# KiCad board 2000ATX.kicad_pcb (continued)
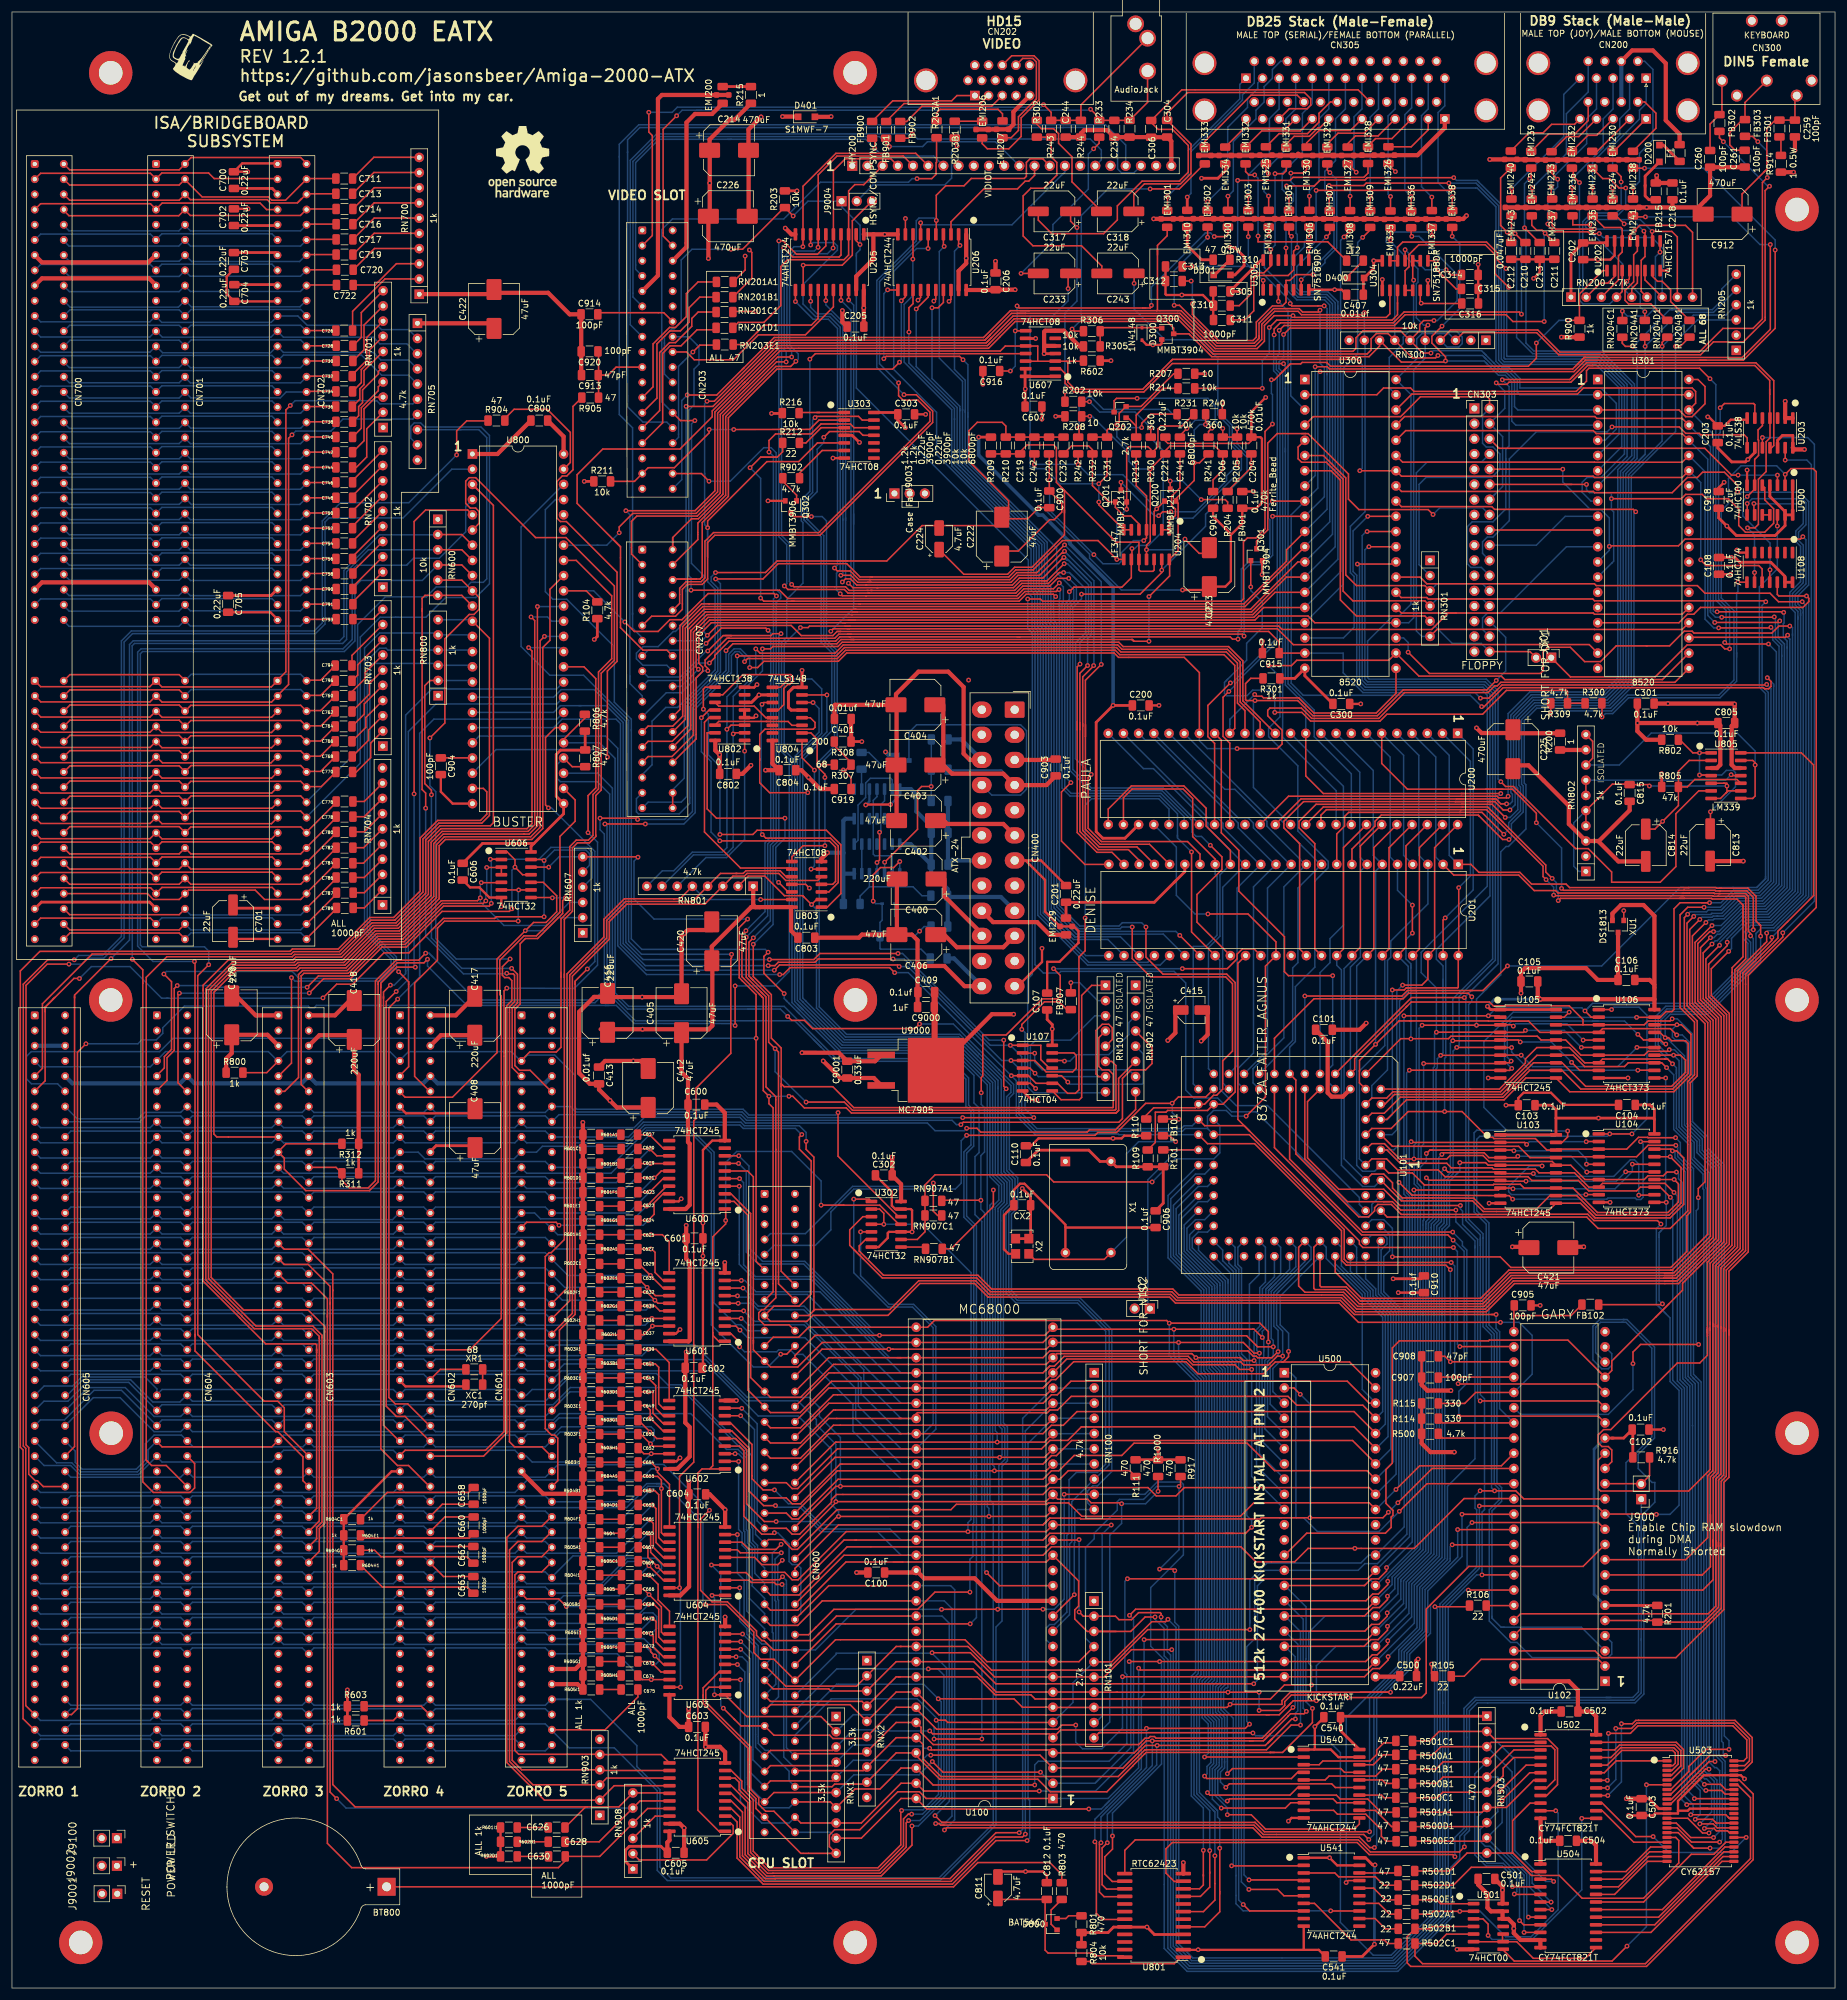
[diagram p0: board, top side]
## Routing (per net, layer and track width the routed paths; a pad name or vN(x,y) marks a point on that pad's centre or on a via; arc(x,y) is an arc through that point) (continued)
A13: length 239.5
  Top w0.25: v1(121.92,111.89) U601.4 ; CN600.39 129.46,84.44 130.44,83.46 131.36,83.46 138,90.09 172.14,90.09 173.55,91.51 176.54,91.51 178.81,93.78 ; 228.04,90.12 224.38,93.78 178.81,93.78 ; 178.81,93.78 183.56,93.78 ; U302.5 v1(141.88,126.35)
  Bottom w0.25: 228.04,90.12 230.07,92.14 230.07,112.45 227.11,115.42 227.11,116.43 223.77,119.77 U101.72 ; v1(141.88,126.35) 141.88,119.02 146.66,114.24 150.75,114.24 154.46,110.53 154.46,93.37 U100.41 148.64,90.09 141.51,97.23 141.51,101.77 132.46,110.82 123.08,110.82 122.01,111.89 v1(121.92,111.89)
A14: length 194.5
  Top w0.25: v1(121.72,109.93) 121.03,110.62 U601.3 ; CN600.41 129.46,81.9 130.44,80.92 131.84,80.92 138.47,87.55 172.38,87.55 173.79,88.97 174.63,88.97 177.15,91.49 224.13,91.49 228.04,87.58
  Bottom w0.25: v1(121.72,109.93) 122.97,108.68 132.59,108.68 141.06,100.21 141.06,95.14 148.64,87.55 U100.42 ; 224.81,122.04 224.81,123.78 U101.73 ; 224.81,122.04 224.81,121.78 ; 224.81,122.04 224.81,119.37 227.56,116.62 227.56,115.6 230.52,112.64 230.52,90.05 228.04,87.58
A15: length 196.1
  Top w0.25: U500.35 226.56,86.45 211.09,86.45 206.5,91.04 187.6,91.04 185.55,88.99 177.59,88.99 175.02,86.43 173.79,86.43 172.38,85.01 138.12,85.01 131.49,78.38 130.44,78.38 129.46,79.36 CN600.43 ; U601.2 120.2,109.35 121.67,107.88 v1(121.67,107.14)
  Bottom w0.25: U100.43 148.64,85.01 140.61,93.05 140.61,97.51 132.24,105.88 130.88,105.88 130.12,106.64 128.18,106.64 127.86,106.32 122.48,106.32 v1(121.67,107.14) ; 228.04,85.04 230.97,87.96 230.97,112.83 228.01,115.79 228.01,116.83 226.31,118.52 U101.74
A16: length 177.3
  Top w0.25: U602.9 121.99,96.9 v1(122.01,96.87) ; 228.04,82.5 226.92,83.62 196,83.62 194.62,82.24 191.31,82.24 189.93,83.62 173.53,83.62 172.38,82.47 137.86,82.47 137.02,81.63 137.02,81.17 131.69,75.84 130.44,75.84 129.46,76.82 CN600.45
  Bottom w0.25: 122,96.89 v1(122.01,96.87) 124.59,94.3 124.59,78.06 CN600.45 ; 228.04,82.5 231.42,85.87 231.42,113.02 228.46,115.98 228.46,124.42 U101.75
A17: length 209.4
  Top w0.25: U102.33 249.01,87.27 235.35,87.27 v1(231.39,83.31) ; CN600.47 126.49,74.93 128.88,74.93 129.32,74.5 129.32,74.43 130.44,73.3 131.32,73.3 137.95,79.93 U100.45 156.99,79.93 157.88,80.83 173.03,80.83 173.26,81.06 176.65,81.06 178.87,78.83 205.38,78.83 207.63,81.08 226.92,81.08 228.04,79.96 ; U602.8 v1(121.83,95.63)
  Bottom w0.25: U101.76 227.35,125.85 229.35,125.85 229.89,125.31 229.89,124.32 228.91,123.33 228.91,116.16 231.87,113.2 231.87,83.78 v1(231.39,83.31) 228.04,79.96 ; v1(121.83,95.63) 124.14,93.32 124.14,77.16 124.32,76.98 124.32,75.79 CN600.47
A18: length 245.8
  Top w0.25: 123.72,85.63 123.72,85.1 125.59,83.24 v1(127.48,83.24) ; 123.72,85.63 123.72,85.52 ; 123.72,85.63 123.72,90.84 120.2,94.36 119.18,94.36 ; 173.5,78.52 178.55,78.52 178.69,78.38 208.69,78.38 208.89,78.59 v1(217.02,78.59) 229.21,78.59 v1(230.12,79.5) ; 173.5,78.52 172.38,77.39 ; 173.5,78.52 173.22,78.24 ; v1(231.71,81.09) 237.44,86.82 U102.34 ; 172.38,77.39 173.22,78.24 ; 172.38,77.39 138.18,77.39 130.91,70.12 CN600.52 ; 173.22,78.24 173.52,78.54 ; v1(215.39,99.21) 214.33,100.28 212.8,100.28
  Bottom w0.25: v1(230.12,79.5) v1(231.71,81.09) 232.32,81.69 232.32,113.39 229.36,116.35 229.36,122.22 230.34,123.2 230.34,125.87 U101.77 ; U100.46 135.36,77.39 131.84,80.92 129.8,80.92 v1(127.48,83.24) ; v1(215.39,99.21) 217.02,97.59 v1(217.02,78.59)
A19: length 249.9
  Top w0.25: 141.19,74.86 139.11,74.86 CN600.54 ; 141.19,74.86 172.38,74.85 173.5,75.98 202.97,75.98 ; 141.19,74.86 140.94,74.86 ; 202.97,75.98 204.28,75.98 ; 202.97,75.98 206.25,75.98 v1(207.26,76.99) ; v1(231.95,79.65) 236.58,84.28 U102.35 ; v1(127.66,80.61) 125.67,80.61 123.27,83.01 123.27,90.17 120.35,93.09 U602.6
  Bottom w0.25: 214.76,78.54 215.99,78.54 218.24,76.29 228.59,76.29 v1(231.95,79.65) ; 214.76,78.54 214.67,78.64 214.67,101.93 213.78,102.82 U500.1 ; 214.76,78.54 212.2,78.54 ; 212.2,78.54 208.82,78.54 v1(207.26,76.99) 207.26,78.14 206.44,78.95 206.44,105.09 205.57,105.97 205.57,120.29 204.96,120.9 204.96,123.78 U101.59 ; 212.2,78.54 211.89,78.54 ; U100.47 148.64,74.85 146.78,76.71 135.41,76.71 131.78,80.34 127.92,80.34 v1(127.66,80.61)
A20: length 205.8
  Top w0.25: CN600.56 139.11,72.31 172.38,72.31 173.79,73.73 205.46,73.73 207.98,71.21 210.56,71.21 214.45,71.21 216.7,73.46 234.45,73.46 242.77,81.79 251.05,81.79 U102.36 ; v1(127.76,77.95) 125.79,77.95 122.82,80.92 122.82,89.98 120.98,91.82 U602.5
  In1.Cu w0.25: v1(224.53,73.46) 224.53,99.37 U500.42
  Bottom w0.25: v1(127.76,77.95) 133.53,77.95 135.22,76.26 144.69,76.26 148.64,72.31 U100.48
A21: length 253.5
  Top w0.25: U602.4 121.62,90.55 122.37,89.79 122.37,80.54 ; U100.50 136.57,67.23 CN600.58 ; v1(227.79,23.47) 227.03,23.47 225.28,25.21 210.17,25.21 209.02,25.21 207.46,26.77 156.26,26.77 v1(155.91,26.42) ; v1(242.43,79.16) 251.07,79.16 U102.37 ; 122.37,80.54 122.37,78.83 125.36,75.84 127.23,75.84 v1(127.47,76.08) 127.29,76.26 ; 122.37,80.54 122.37,79.83
  Bottom w0.25: v1(155.91,26.42) 157.61,28.12 157.61,66.56 156.93,67.23 U100.50 ; v1(227.79,23.47) 228.16,23.84 228.16,48.35 233.21,53.4 233.21,55.97 236.71,59.46 236.71,66.38 242.43,72.1 v1(242.43,79.16) ; CN600.58 131.89,62.56 131.89,70.17 131.3,70.76 130.44,70.76 129.93,71.27 129.93,74.18 128.04,76.08 v1(127.47,76.08)
A22: length 244.9
  Top w0.25: 226.87,24.79 v1(226.85,24.82) 226,25.66 211.44,25.66 209.21,25.66 207.65,27.22 155.81,27.22 ; v1(120.9,89.28) U602.3 ; 155.81,27.22 155.55,27.22 ; 155.81,27.22 155.28,27.22 155.01,27.48 v1(154.43,27.48) ; U102.38 251.05,76.61 v1(241.71,76.61) ; CN600.57 126.81,60.6 131.38,60.6 135.47,64.69 U100.51
  Bottom w0.25: CN600.57 125.83,62.58 123.3,65.11 123.3,73.4 122.52,74.19 122.52,76.23 122.34,76.41 122.34,88.41 121.47,89.28 v1(120.9,89.28) ; v1(241.71,76.61) 241.71,72.01 236.26,66.57 236.26,59.65 232.76,56.15 232.76,53.59 227.7,48.52 227.7,25.67 v1(226.85,24.82) ; v1(154.43,27.48) 155.91,27.48 157.16,28.73 157.16,63.41 155.88,64.69 U100.51
A23: length 238.5
  Top w0.25: v1(121.49,88) 121.48,88.01 U602.2 ; v1(154.33,28.8) 155.46,27.67 156.25,27.67 ; v1(226.97,26.11) 209.4,26.11 207.82,27.69 207.81,27.67 156.25,27.67 ; CN600.59 126.81,58.06 133.75,58.06 134.94,59.25 ; 156.25,27.67 155.51,27.67 ; 134.94,59.25 137.85,62.15 U100.52 ; 134.94,59.25 134.75,59.06 ; U102.39 251.05,74.07 v1(240.79,74.07)
  Bottom w0.25: v1(240.79,74.07) 240.44,73.72 240.44,71.76 240.44,71.39 235.81,66.75 235.81,59.83 232.31,56.34 232.31,53.78 226.97,48.44 v1(226.97,26.11) ; U100.52 155.5,62.15 156.71,60.95 156.71,31.18 v1(154.33,28.8) ; v1(121.49,88) 121.49,76.63 122.07,76.05 122.07,74 122.85,73.22 122.85,63.02 125.83,60.04 CN600.59
AUDIN: length 33.1
  Top w0.25: v1(178.05,294.18) 176.99,295.24 C317.1 ; R202.1 v1(176.04,266.73)
  Bottom w0.25: v1(178.05,294.18) 178.05,281.89 176.04,279.88 v1(176.04,266.73)
AUDIO: length 419.1
  Top w0.25: C204.2 207.21,258.56 206.76,258.11 193.26,258.11 192.84,258.53 C221.1 ; 110.46,197.69 110.46,200.23 ; C900.2 173.4,247.4 v1(171.7,247.4) 169.83,245.52 166.62,245.52 ; 154.96,244.37 164.89,244.37 165.8,245.27 ; 154.96,244.37 155.02,244.32 C224.2 ; 154.96,244.37 152.17,244.37 146.26,238.46 137.97,238.46 ; 137.97,238.46 127.92,238.46 125.99,236.53 v1(117.63,236.52) ; 137.97,238.46 139.76,238.46 ; 166.62,245.52 166.62,248.51 159.98,255.16 159.98,260.22 161.39,261.63 165.54,261.63 166.17,261.01 R210.2 C232.2 ; 166.62,245.52 165.47,244.37
  Top w0.381: C901.1 200.81,245.94 203.79,242.96 203.79,242.82 ; v1(195.71,233.61) 199.62,233.61 C223.1 202.87,234.18 203.79,235.1 203.79,242.82 ; 203.79,242.82 205.69,244.72 FB401.2 208.07,247.27 208.98,248.18 208.98,258.89 208.72,259.16 C204.2 207.21,263.39 v1(209.61,265.79) ; C212.2 C211.2 ; C213.2 255.42,286.69 v1(254.41,285.68)
  In1.Cu w0.381: 224.24,277.99 233.23,277.99 235.56,280.32 240.51,280.32 245.87,285.68 v1(254.41,285.68) ; 224.24,277.99 221.81,277.99 v1(209.61,265.79) ; 224.24,277.99 224.24,282.91 217.41,289.73 205.97,289.73 200.96,294.75 200.96,305.99 187.86,319.09 CN205.S ; v1(195.71,233.61) 199.72,229.6 199.72,200.84 U200.34
  Bottom w0.25: 110.46,200.23 112.4,202.16 112.4,214.46 117.5,219.56 ; v1(117.63,236.52) 116.9,235.79 116.9,235.04 118,233.94 118,220.06 117.5,219.56 ; v1(195.71,233.61) 185.49,233.61 180.17,238.93 180.17,239.6 172.37,247.4 v1(171.7,247.4) ; 117.87,219.93 117.5,219.56
AUDOUT: length 39.4
  Top w0.25: C243.2 182.21,287.74 178.82,291.13 170.69,291.13 169.06,292.76 169.06,299.47 170.33,300.74 172.5,300.74 174.68,302.93 174.68,305.06 173.74,306 R243.2 R302.1
B0: length 97.1
  Top w0.25: 149.38,295.68 v1(149.38,295.68) U206.9 ; RN201A1.1 122.58,287.09 v1(122.58,289.41)
  In1.Cu w0.25: HY200.16 177.41,303.32 170.41,303.32 169.79,303.93 169.79,306.03 167.19,308.64 149.37,308.64 ; 124.68,304.14 124.68,304.41 ; 124.68,304.14 124.68,304.72 128.6,308.64 149.37,308.64 ; 124.68,304.14 124.68,290.74 123.35,289.41 v1(122.58,289.41) ; 149.37,308.64 149.38,308.63 v1(149.38,295.68)
B1: length 133
  Top w0.25: v1(148.23,268.22) 148.23,266.08 148.98,265.33 151.47,265.33 153.48,263.31 153.48,261.79 134.89,243.21 117.3,243.21 115.86,241.76 115.86,235.63 115.22,234.99 112.72,234.99 111.63,233.91 111.63,231.37 CN207.10 ; U206.7 v1(151.92,294.97)
  Bottom w0.25: HY200.15 176.05,303.5 167.19,294.63 152.25,294.63 v1(151.92,294.97) 151.92,292.02 145.05,285.15 145.05,271.41 v1(148.23,268.22)
B2: length 143.3
  Top w0.25: v1(149.14,266.24) 151.19,266.24 153.93,263.5 153.93,261.6 135.08,242.75 133.04,242.75 117.51,242.75 116.31,241.55 116.31,235.45 115.4,234.54 112.9,234.54 112.08,233.72 112.08,230.37 110.94,229.23 106.94,229.23 CN207.11 ; U206.5 154.54,293.13 v1(154.54,295.36) 154.54,299.58 156.12,301.16 159.17,301.16 160.39,302.38 169.24,302.38 169.6,302.74 169.6,305.06 170.22,305.67 172.33,305.67 HY200.14
  Bottom w0.25: v1(154.54,295.36) 154.14,295.76 151.63,295.76 151.19,295.32 151.19,291.94 144.6,285.34 144.6,270.79 v1(149.14,266.24)
B3: length 96.4
  Top w0.25: RN201B1.1 123.69,285.72 123.69,290.02 v1(123.29,290.42) ; HY200.13 170.97,302.9 170,301.93 169.4,301.93 168.1,300.63 162.48,300.63 157,295.15 U206.3
  In1.Cu w0.25: HY200.13 170.97,305.5 167.38,309.09 146.45,309.09 146.27,309.28 128.28,309.28 123.29,304.29 v1(123.29,290.42)
BA1: length 115.7
  Top w0.25: 85.06,126.97 86.04,127.95 90.97,127.95 v1(91.47,127.46) ; C624.2 v1(106.35,128.27) 107.37,129.29 107.37,131.22 108.86,132.72 109.88,132.72 109.1,132.72
  Bottom w0.25: v1(91.47,127.46) 105.54,127.46 v1(106.35,128.27) ; 3.78,126.97 4.76,125.99 23.12,125.99 24.1,126.97 25.08,125.99 43.44,125.99 44.42,126.97 45.4,125.99 63.76,125.99 64.74,126.97 65.72,125.99 84.08,125.99 85.06,126.97
BA2: length 113.5
  Top w0.25: C622.2 v1(106.1,130.66) 106.12,130.66 109.45,133.99 U600.17
  Bottom w0.25: v1(106.1,130.66) 103.97,128.53 88.36,128.53 87.38,129.51 85.06,129.51 84.08,128.53 65.72,128.53 64.74,129.51 63.63,128.4 45.53,128.4 44.42,129.51 43.44,128.53 25.08,128.53 24.1,129.51 23.12,128.53 4.76,128.53 3.78,129.51
BA3: length 108.8
  Top w0.25: C621.2 v1(107.37,135.38) 107.42,135.38 108.56,136.53 U600.15
  Bottom w0.25: v1(107.37,135.38) 104.04,132.05 90.14,132.05 89.16,133.03 70.8,133.03 69.82,132.05 68.84,133.03 50.48,133.03 49.5,132.05 48.52,133.03 30.16,133.03 29.18,132.05 28.2,133.03 9.84,133.03 8.86,132.05
BA4: length 109.1
  Top w0.25: C620.2 v1(106.65,140.21) 107.8,139.07 U600.13
  Bottom w0.25: v1(106.65,140.21) 101.04,134.59 90.14,134.59 89.16,135.57 70.8,135.57 69.82,134.59 68.84,135.57 50.48,135.57 49.5,134.59 48.52,135.57 30.16,135.57 29.18,134.59 28.2,135.57 9.84,135.57 8.86,134.59
BA5: length 115.3
  Top w0.25: 109.88,140.34 108.85,140.34 v1(106.6,142.59) 106.59,142.6 C617.2
  Bottom w0.25: v1(106.6,142.59) 100.16,136.15 86.04,136.15 85.06,137.13 84.08,136.15 65.72,136.15 64.74,137.13 63.76,136.15 45.4,136.15 44.42,137.13 43.44,136.15 25.08,136.15 24.1,137.13 23.12,136.15 4.76,136.15 3.78,137.13
BA6: length 113.6
  Top w0.25: C619.2 v1(106.76,137.77) 109.85,137.77 U600.14
  Bottom w0.25: v1(106.76,137.77) 102.6,133.61 86.04,133.61 85.06,134.59 84.08,133.61 65.72,133.61 64.74,134.59 63.76,133.61 45.4,133.61 44.42,134.59 43.44,133.61 25.08,133.61 24.1,134.59 23.12,133.61 4.76,133.61 3.78,134.59
BA7: length 108.7
  Top w0.25: U600.16 108.85,135.26 v1(106.65,133.05) 106.59,132.99 C623.2
  Bottom w0.25: v1(106.65,133.05) 103.11,129.51 90.14,129.51 89.16,130.49 70.8,130.49 69.82,129.51 68.84,130.49 50.48,130.49 49.5,129.51 48.52,130.49 30.16,130.49 29.18,129.51 28.2,130.49 9.84,130.49 8.86,129.51
BA8: length 112.6
  Top w0.25: C625.2 v1(106.81,125.88) 108.74,125.88 109.88,124.74 U601.11
  Bottom w0.25: v1(106.81,125.88) 91.24,125.88 89.16,127.95 70.8,127.95 69.82,126.97 68.84,127.95 50.48,127.95 49.5,126.97 48.52,127.95 30.16,127.95 29.18,126.97 28.2,127.95 9.84,127.95 8.86,126.97
BA9: length 111
  Top w0.25: C627.2 v1(106.81,123.49) 106.96,123.49 107.52,122.94 107.52,119.57 108.85,118.24 U601.12
  Bottom w0.25: v1(106.81,123.49) 91.08,123.49 89.16,125.41 70.8,125.41 69.82,124.43 68.84,125.41 50.48,125.41 49.5,124.43 48.52,125.41 30.16,125.41 29.18,124.43 28.2,125.41 9.84,125.41 8.86,124.43
BA10: length 109.2
  Top w0.25: U601.13 108.85,116.97 v1(106.75,119.07) 104.81,121.01 C629.2
  Bottom w0.25: v1(106.75,119.07) 92.97,119.07 89.16,122.87 70.8,122.87 69.82,121.89 68.84,122.87 50.48,122.87 49.5,121.89 48.52,122.87 30.16,122.87 29.18,121.89 28.2,122.87 9.84,122.87 8.86,121.89
BA11: length 107.9
  Top w0.25: C631.2 v1(106.19,117.08) 107.57,115.7 U601.14
  Bottom w0.25: v1(106.19,117.08) 92.42,117.08 89.16,120.33 70.8,120.33 69.82,119.35 68.84,120.33 50.48,120.33 49.5,119.35 48.52,120.33 30.16,120.33 29.18,119.35 28.2,120.33 9.84,120.33 8.86,119.35
BA12: length 108.6
  Top w0.25: C632.2 106.15,116.28 v1(107.49,114.94) 108,114.43 U601.15
  Bottom w0.25: v1(107.49,114.94) 92.02,114.94 89.16,117.79 70.8,117.79 69.82,116.81 68.84,117.79 50.48,117.79 49.5,116.81 48.52,117.79 30.16,117.79 29.18,116.81 28.2,117.79 9.84,117.79 8.86,116.81
BA13: length 112.3
  Top w0.25: 109.88,113.16 108.31,113.16 107.52,113.94 v1(106.65,113.94) C633.2
  Bottom w0.25: v1(106.65,113.94) 106,113.29 86.04,113.29 85.06,114.27 84.08,113.29 65.72,113.29 64.74,114.27 63.76,113.29 45.4,113.29 44.42,114.27 43.44,113.29 25.08,113.29 24.1,114.27 23.12,113.29 4.76,113.29 3.78,114.27
BA14: length 112.7
  Top w0.25: U601.17 v1(106.98,111.89) 104.98,111.89 C635.2
  Bottom w0.25: v1(106.98,111.89) 105.85,110.75 86.04,110.75 85.06,111.73 84.08,110.75 65.72,110.75 64.74,111.73 63.76,110.75 45.4,110.75 44.42,111.73 43.44,110.75 25.08,110.75 24.1,111.73 23.12,110.75 4.76,110.75 3.78,111.73
BA15: length 113.8
  Top w0.25: U601.18 v1(107.09,110.62) 105.64,109.17 C637.2
  Bottom w0.25: v1(107.09,110.62) 104.68,108.21 86.04,108.21 85.06,109.19 84.08,108.21 65.72,108.21 64.74,109.19 63.76,108.21 45.4,108.21 44.42,109.19 43.44,108.21 25.08,108.21 24.1,109.19 23.12,108.21 4.76,108.21 3.78,109.19
BA16: length 119.2
  Top w0.25: 109.88,98.17 109.88,104.52 107.67,106.73 v1(106.4,106.73) C639.2
  Bottom w0.25: v1(106.4,106.73) 105.34,105.67 86.04,105.67 85.06,106.65 84.08,105.67 65.72,105.67 64.74,106.65 63.76,105.67 45.4,105.67 44.42,106.65 43.44,105.67 25.08,105.67 24.1,106.65 23.12,105.67 4.76,105.67 3.78,106.65
BA17: length 118.8
  Top w0.25: C641.2 v1(106.71,104.29) 107.57,104.29 108.13,103.73 108.13,97.63 108.85,96.9 U602.12
  Bottom w0.25: 85.06,104.11 84.08,103.13 65.72,103.13 64.74,104.11 63.76,103.13 45.4,103.13 44.42,104.11 43.44,103.13 25.08,103.13 24.1,104.11 23.12,103.13 4.76,103.13 3.78,104.11 ; v1(106.71,104.29) 92.35,104.29 91.2,103.13 86.17,103.13 CN601.47
BA18: length 114.3
  Top w0.25: C645.2 v1(106.35,101.96) 107.62,100.69 107.62,96.86 108.85,95.63 U602.13
  Bottom w0.25: v1(106.35,101.96) 93.07,101.96 89.16,98.05 70.8,98.05 69.82,99.03 68.84,98.05 50.48,98.05 49.5,99.03 48.52,98.05 30.16,98.05 29.18,99.03 28.07,97.92 23.56,97.92 19.83,101.65 11.83,101.65 9.21,99.03 CN605.52
BA19: length 238.8
  Top w0.25: 90.14,96.49 91.53,97.88 91.53,109.94 94.15,112.56 94.15,114 94.15,167.72 ; C647.2 v1(106.4,99.62) 107.17,99.62 107.17,96.04 108.85,94.36 109.88,94.36 ; v1(89.69,197.21) 89.2,197.69 89.2,208.96 90.86,210.62 U800.30 ; 94.15,167.72 94.15,168.04 ; 94.15,167.72 94.15,168.24 v1(96.19,170.28)
  Bottom w0.25: 8.86,96.49 8.99,96.49 ; 95.83,191.56 90.19,197.21 v1(89.69,197.21) ; 95.83,191.56 96.34,191.05 ; 95.83,191.56 97.45,189.94 97.45,171.54 v1(96.19,170.28) ; v1(106.4,99.62) 93.27,99.62 89.16,95.51 70.8,95.51 69.82,96.49 68.84,95.51 50.48,95.51 49.5,96.49 48.52,95.51 30.16,95.51 29.18,96.49 28.2,95.51 23.76,95.51 18.95,100.33 12.73,100.33 CN605.54
BA20: length 262.1
  Top w0.25: v1(64.49,165.25) 63.02,163.78 63.02,98.67 64.09,97.6 66.17,97.6 69.82,93.95 ; U602.15 108.85,93.09 106.72,95.22 v1(106.72,95.26) 106.72,96.6 105.99,97.33 104.7,97.33 C649.2
  Bottom w0.25: 8.86,94.41 8.86,93.95 ; U800.31 91.1,212.03 70.53,212.03 68.16,209.67 68.16,170.01 ; 68.16,170.01 68.16,169.13 ; 68.16,170.01 68.16,168.92 v1(64.49,165.25) ; CN605.56 13.58,98.65 18.09,98.65 23.76,92.97 28.2,92.97 29.18,93.95 30.16,92.97 48.52,92.97 49.5,93.95 50.48,92.97 68.84,92.97 69.82,93.95 70.8,92.97 89.16,92.97 91.45,95.26 v1(106.72,95.26)
BA21: length 268.6
  Top w0.25: v1(64.24,166.52) 62.57,164.85 62.57,97.22 64.27,95.51 65.72,95.51 69.82,91.41 ; C651.2 104.72,94.89 107.8,91.82 U602.16 108.85,91.82
  Bottom w0.25: v1(106.65,92.91) 91.64,92.91 89.16,90.43 70.8,90.43 69.82,91.41 68.84,90.43 50.48,90.43 49.5,91.41 ; 66.27,170.08 66.27,170.55 ; 66.27,170.08 66.27,209.96 70.88,214.57 91.1,214.57 U800.32 ; 66.27,170.08 66.27,168.55 v1(64.24,166.52) ; CN605.58 10.57,89.73 10.57,87.85 11.72,86.7 20.79,86.7 22.31,88.22 22.31,90.94 23.76,92.39 28.33,92.39 CN604.58 30.29,90.43 48.65,90.43 CN603.58
BA22: length 274.9
  Top w0.25: 62.12,165.42 62.12,94.04 64.74,91.41 ; 62.12,165.42 62.12,165.72 ; 62.12,165.42 62.12,166.44 v1(63.27,167.59) ; U602.17 109.85,90.53 107.16,90.53 v1(106.76,90.93) 105.13,92.56 C650.2 ; 24.1,91.41 25.08,90.43 43.44,90.43 44.42,91.41
  Bottom w0.25: U800.33 91.07,217.08 70.19,217.08 65.82,212.71 65.82,170.01 ; 44.42,91.41 45.4,92.39 63.76,92.39 64.74,91.41 65.72,92.39 84.08,92.39 85.06,91.41 86.17,92.52 90.62,92.52 91.87,93.78 106.86,93.78 107.38,93.26 107.38,91.56 v1(106.76,90.93) ; 65.82,170.01 65.82,169.49 63.92,167.59 v1(63.27,167.59) ; 65.82,170.01 65.82,169.77 ; CN605.57 7.46,87.76 10,87.76 11.51,86.25 20.98,86.25 22.76,88.04 22.76,89.94 CN604.57
BA23: length 280.4
  Top w0.25: v1(82.73,167.08) 82.27,166.62 82.27,156.28 82.28,156.27 82.28,155.71 ; 82.28,155.71 82.28,155.71 ; 82.28,155.71 82.28,92.97 79.16,89.85 65.72,89.85 64.74,88.87 ; U602.18 v1(106.88,89.28) 105.64,89.28 C652.2 ; U800.34 95.63,220.78 97.61,218.8 97.61,200.55 96.32,199.25 v1(96.32,193.07)
  Bottom w0.25: v1(106.88,89.28) 105.5,87.89 86.97,87.89 85.99,88.87 85.06,88.87 84.08,89.85 65.72,89.85 64.74,88.87 63.76,89.85 45.4,89.85 43.44,87.89 25.08,87.89 24.1,88.87 ; 96.29,193.09 v1(96.32,193.07) 97.9,191.48 97.9,170.92 94.02,167.04 92.6,167.04 v1(82.73,167.08) ; CN605.59 5.37,87.31 9.81,87.31 11.32,85.8 21.16,85.8 CN604.59
BD0: length 125.7
  Top w0.25: U603.11 109.93,62.97 108.03,64.87 108.03,67.46 v1(106.5,68.99) C664.2
  Bottom w0.25: v1(106.5,68.99) 107.47,68.99 108.59,70.11 108.59,70.8 107.56,71.83 102.82,71.83 98.56,67.57 86.04,67.57 85.06,68.55 84.08,67.57 65.72,67.57 64.74,68.55 63.76,67.57 45.4,67.57 44.42,68.55 43.44,67.57 25.08,67.57 24.1,68.55 23.12,67.57 4.76,67.57 3.78,68.55
BD1: length 118.5
  Top w0.25: 85.06,66.01 86.04,65.03 91.4,65.03 v1(92.68,63.75) ; U603.12 108.9,59.16 108.58,59.48 108.58,63.68 v1(106.51,65.75) 105.61,66.65 C666.2
  Bottom w0.25: v1(92.68,63.75) 104.52,63.75 v1(106.51,65.75) ; 85.06,66.01 84.08,65.03 65.72,65.03 64.74,66.01 63.76,65.03 45.4,65.03 44.42,66.01 43.44,65.03 25.08,65.03 24.1,66.01 23.12,65.03 4.76,65.03 3.78,66.01
BD2: length 117.5
  Top w0.25: C668.2 v1(106.45,64.11) 107.31,64.11 108.13,63.3 108.13,58.66 108.9,57.89 U603.13
  Bottom w0.25: v1(106.45,64.11) 104.84,62.49 86.04,62.49 85.06,63.47 84.08,62.49 65.72,62.49 64.74,63.47 63.76,62.49 45.4,62.49 44.42,63.47 43.44,62.49 25.08,62.49 24.1,63.47 23.12,62.49 4.76,62.49 3.78,63.47
BD3: length 117.1
  Top w0.25: C670.2 v1(107.06,61.72) 107.21,61.72 107.68,61.26 107.68,57.84 108.9,56.62 U603.14
  Bottom w0.25: v1(107.06,61.72) 105.16,59.82 86.17,59.82 85.06,60.93 84.08,59.95 65.72,59.95 64.74,60.93 63.76,59.95 45.4,59.95 44.42,60.93 43.44,59.95 25.08,59.95 24.1,60.93 23.12,59.95 4.76,59.95 3.78,60.93
BD4: length 114.8
  Top w0.25: C672.2 106.4,56.95 106.78,56.57 106.78,56.2 v1(107.49,55.49) 108.9,54.08 U603.16
  Bottom w0.25: v1(107.49,55.49) 105.57,57.41 86.04,57.41 85.06,58.39 84.08,57.41 65.72,57.41 64.74,58.39 63.76,57.41 45.4,57.41 44.42,58.39 43.44,57.41 25.08,57.41 24.1,58.39 23.12,57.41 4.76,57.41 3.78,58.39
BD5: length 108.6
  Top w0.25: U603.18 v1(106.88,51.54) 105.34,51.54 C674.2
  Bottom w0.25: v1(106.88,51.54) 105.51,51.54 101.19,55.85 90.14,55.85 89.16,56.83 70.8,56.83 69.82,55.85 68.84,56.83 50.48,56.83 49.5,55.85 48.52,56.83 30.16,56.83 29.18,55.85 28.2,56.83 9.84,56.83 8.86,55.85
BD6: length 112.1
  Top w0.25: C673.2 106.76,54.56 v1(107.14,54.18) 108.51,52.81 U603.17
  Bottom w0.25: v1(107.14,54.18) 107.7,54.18 108.21,54.69 108.21,55.84 105.66,58.39 90.14,58.39 89.16,59.37 70.8,59.37 69.82,58.39 68.84,59.37 50.48,59.37 49.5,58.39 48.52,59.37 30.16,59.37 29.18,58.39 28.2,59.37 9.84,59.37 8.86,58.39
BD7: length 114.4
  Top w0.25: C671.2 106.71,59.33 v1(106.86,59.18) 107.23,58.81 107.23,57.02 108.9,55.35 U603.15
  Bottom w0.25: v1(106.86,59.18) 107.79,60.11 107.79,62.07 107.17,62.69 105.67,62.69 103.91,60.93 90.14,60.93 89.16,61.91 70.8,61.91 69.82,60.93 68.84,61.91 50.48,61.91 49.5,60.93 48.52,61.91 30.16,61.91 29.18,60.93 28.2,61.91 9.84,61.91 8.86,60.93
BD8: length 110.4
  Top w0.25: U604.18 108.9,68.15 v1(106.5,70.56) 105.73,71.32 C669.2
  Bottom w0.25: v1(106.5,70.56) 101.51,65.56 92.23,65.56 90.14,63.47 89.16,64.45 70.8,64.45 69.82,63.47 68.84,64.45 50.48,64.45 49.5,63.47 48.52,64.45 30.16,64.45 29.18,63.47 28.2,64.45 9.84,64.45 8.86,63.47
BD9: length 112.9
  Top w0.25: C667.2 106.2,73.66 106.33,73.53 106.33,71.99 v1(107.87,70.45) 108.9,69.42 U604.17
  Bottom w0.25: 97,66.01 96.72,66.01 ; 96.72,66.01 97.64,66.01 102.91,71.28 107.04,71.28 v1(107.87,70.45) ; 96.72,66.01 90.14,66.01 89.16,66.99 70.8,66.99 69.82,66.01 68.84,66.99 50.48,66.99 49.5,66.01 48.52,66.99 30.16,66.99 29.18,66.01 28.2,66.99 9.84,66.99 8.86,66.01
BD10: length 112.9
  Top w0.25: C665.2 v1(106.35,76) 106.78,75.57 106.78,72.81 108.9,70.69 U604.16
  Bottom w0.25: v1(106.35,76) 102.56,72.2 93.79,72.2 90.14,68.55 89.16,69.53 70.8,69.53 69.82,68.55 68.84,69.53 50.48,69.53 49.5,68.55 48.52,69.53 30.16,69.53 29.18,68.55 28.2,69.53 9.84,69.53 8.86,68.55
BD11: length 119.1
  Top w0.25: U604.15 108.9,71.96 107.23,73.63 107.23,77.66 v1(106.65,78.23) 106.55,78.33 C661.2
  Bottom w0.25: v1(106.65,78.23) 101.08,72.65 86.04,72.65 85.06,73.63 84.08,72.65 65.72,72.65 64.74,73.63 63.76,72.65 45.4,72.65 44.42,73.63 43.44,72.65 25.08,72.65 24.1,73.63 23.12,72.65 4.76,72.65 3.78,73.63
BD12: length 120.9
  Top w0.25: C659.2 v1(107.06,80.72) 107.68,80.1 107.68,74.45 108.9,73.23 U604.14
  Bottom w0.25: v1(107.06,80.72) 101.53,75.19 86.04,75.19 85.06,76.17 84.08,75.19 65.72,75.19 64.74,76.17 63.76,75.19 45.4,75.19 44.42,76.17 43.44,75.19 25.08,75.19 24.1,76.17 23.12,75.19 4.76,75.19 3.78,76.17
BD13: length 121.7
  Top w0.25: C657.2 v1(106.65,83.11) 107.47,83.11 108.13,82.45 108.13,75.27 108.9,74.5 U604.13
  Bottom w0.25: v1(106.65,83.11) 101.28,77.73 86.04,77.73 85.06,78.71 84.08,77.73 65.72,77.73 64.74,78.71 63.76,77.73 45.4,77.73 44.42,78.71 43.44,77.73 25.08,77.73 24.1,78.71 23.12,77.73 4.76,77.73 3.78,78.71
BD14: length 124.5
  Top w0.25: C655.2 107.96,85.5 108.58,84.88 108.58,76.09 108.9,75.77 U604.12
  Bottom w0.25: v1(108.59,83.46) 108.22,83.83 106.31,83.83 102.75,80.27 86.04,80.27 85.06,81.25 84.08,80.27 65.72,80.27 64.74,81.25 63.76,80.27 45.4,80.27 44.42,81.25 43.44,80.27 25.08,80.27 24.1,81.25 23.12,80.27 4.76,80.27 3.78,81.25
BD15: length 122.8
  Top w0.25: U604.11 109.93,84.17 107.92,86.17 v1(107.92,86.77) 106.86,87.83 C654.2
  Bottom w0.25: v1(107.92,86.77) 106.91,86.77 105.05,84.9 86.17,84.9 84.08,82.81 65.72,82.81 64.74,83.79 63.76,82.81 45.4,82.81 44.42,83.79 43.44,82.81 25.08,82.81 24.1,83.79 23.12,82.81 4.76,82.81 3.78,83.79
BFC0: length 245.2
  Top w0.25: 96.13,30.27 95.91,30.27 C626.2 ; 96.13,30.27 101.47,30.27 RN908.6 109.85,32.61 U605.15 ; 96.13,30.27 57.37,30.27 53.63,34 53.63,116.51 ; CN603.31 45.53,123.45 49.52,123.45 53.63,119.34 53.63,116.51 ; 53.63,116.51 53.63,116.67
  Bottom w0.25: 3.78,124.43 4.76,123.45 23.12,123.45 24.1,124.43 25.08,123.45 43.44,123.45 44.42,124.43 45.4,123.45 63.76,123.45 64.74,124.43 65.72,123.45 84.08,123.45 85.06,124.43
BFC1: length 251.9
  Top w0.25: v1(54.28,31.65) 53.18,32.74 53.18,114.31 ; C628.2 98.17,24.43 RN908.5 105,31.27 U605.16 ; 53.18,114.31 53.18,117.25 49.52,120.91 45.53,120.91 CN603.33 ; 53.18,114.31 53.18,114.58